# Altium PCB FMC_ADC_100M_10B_16CHA_TDC.PcbDoc (part 1 of 12) (continued)
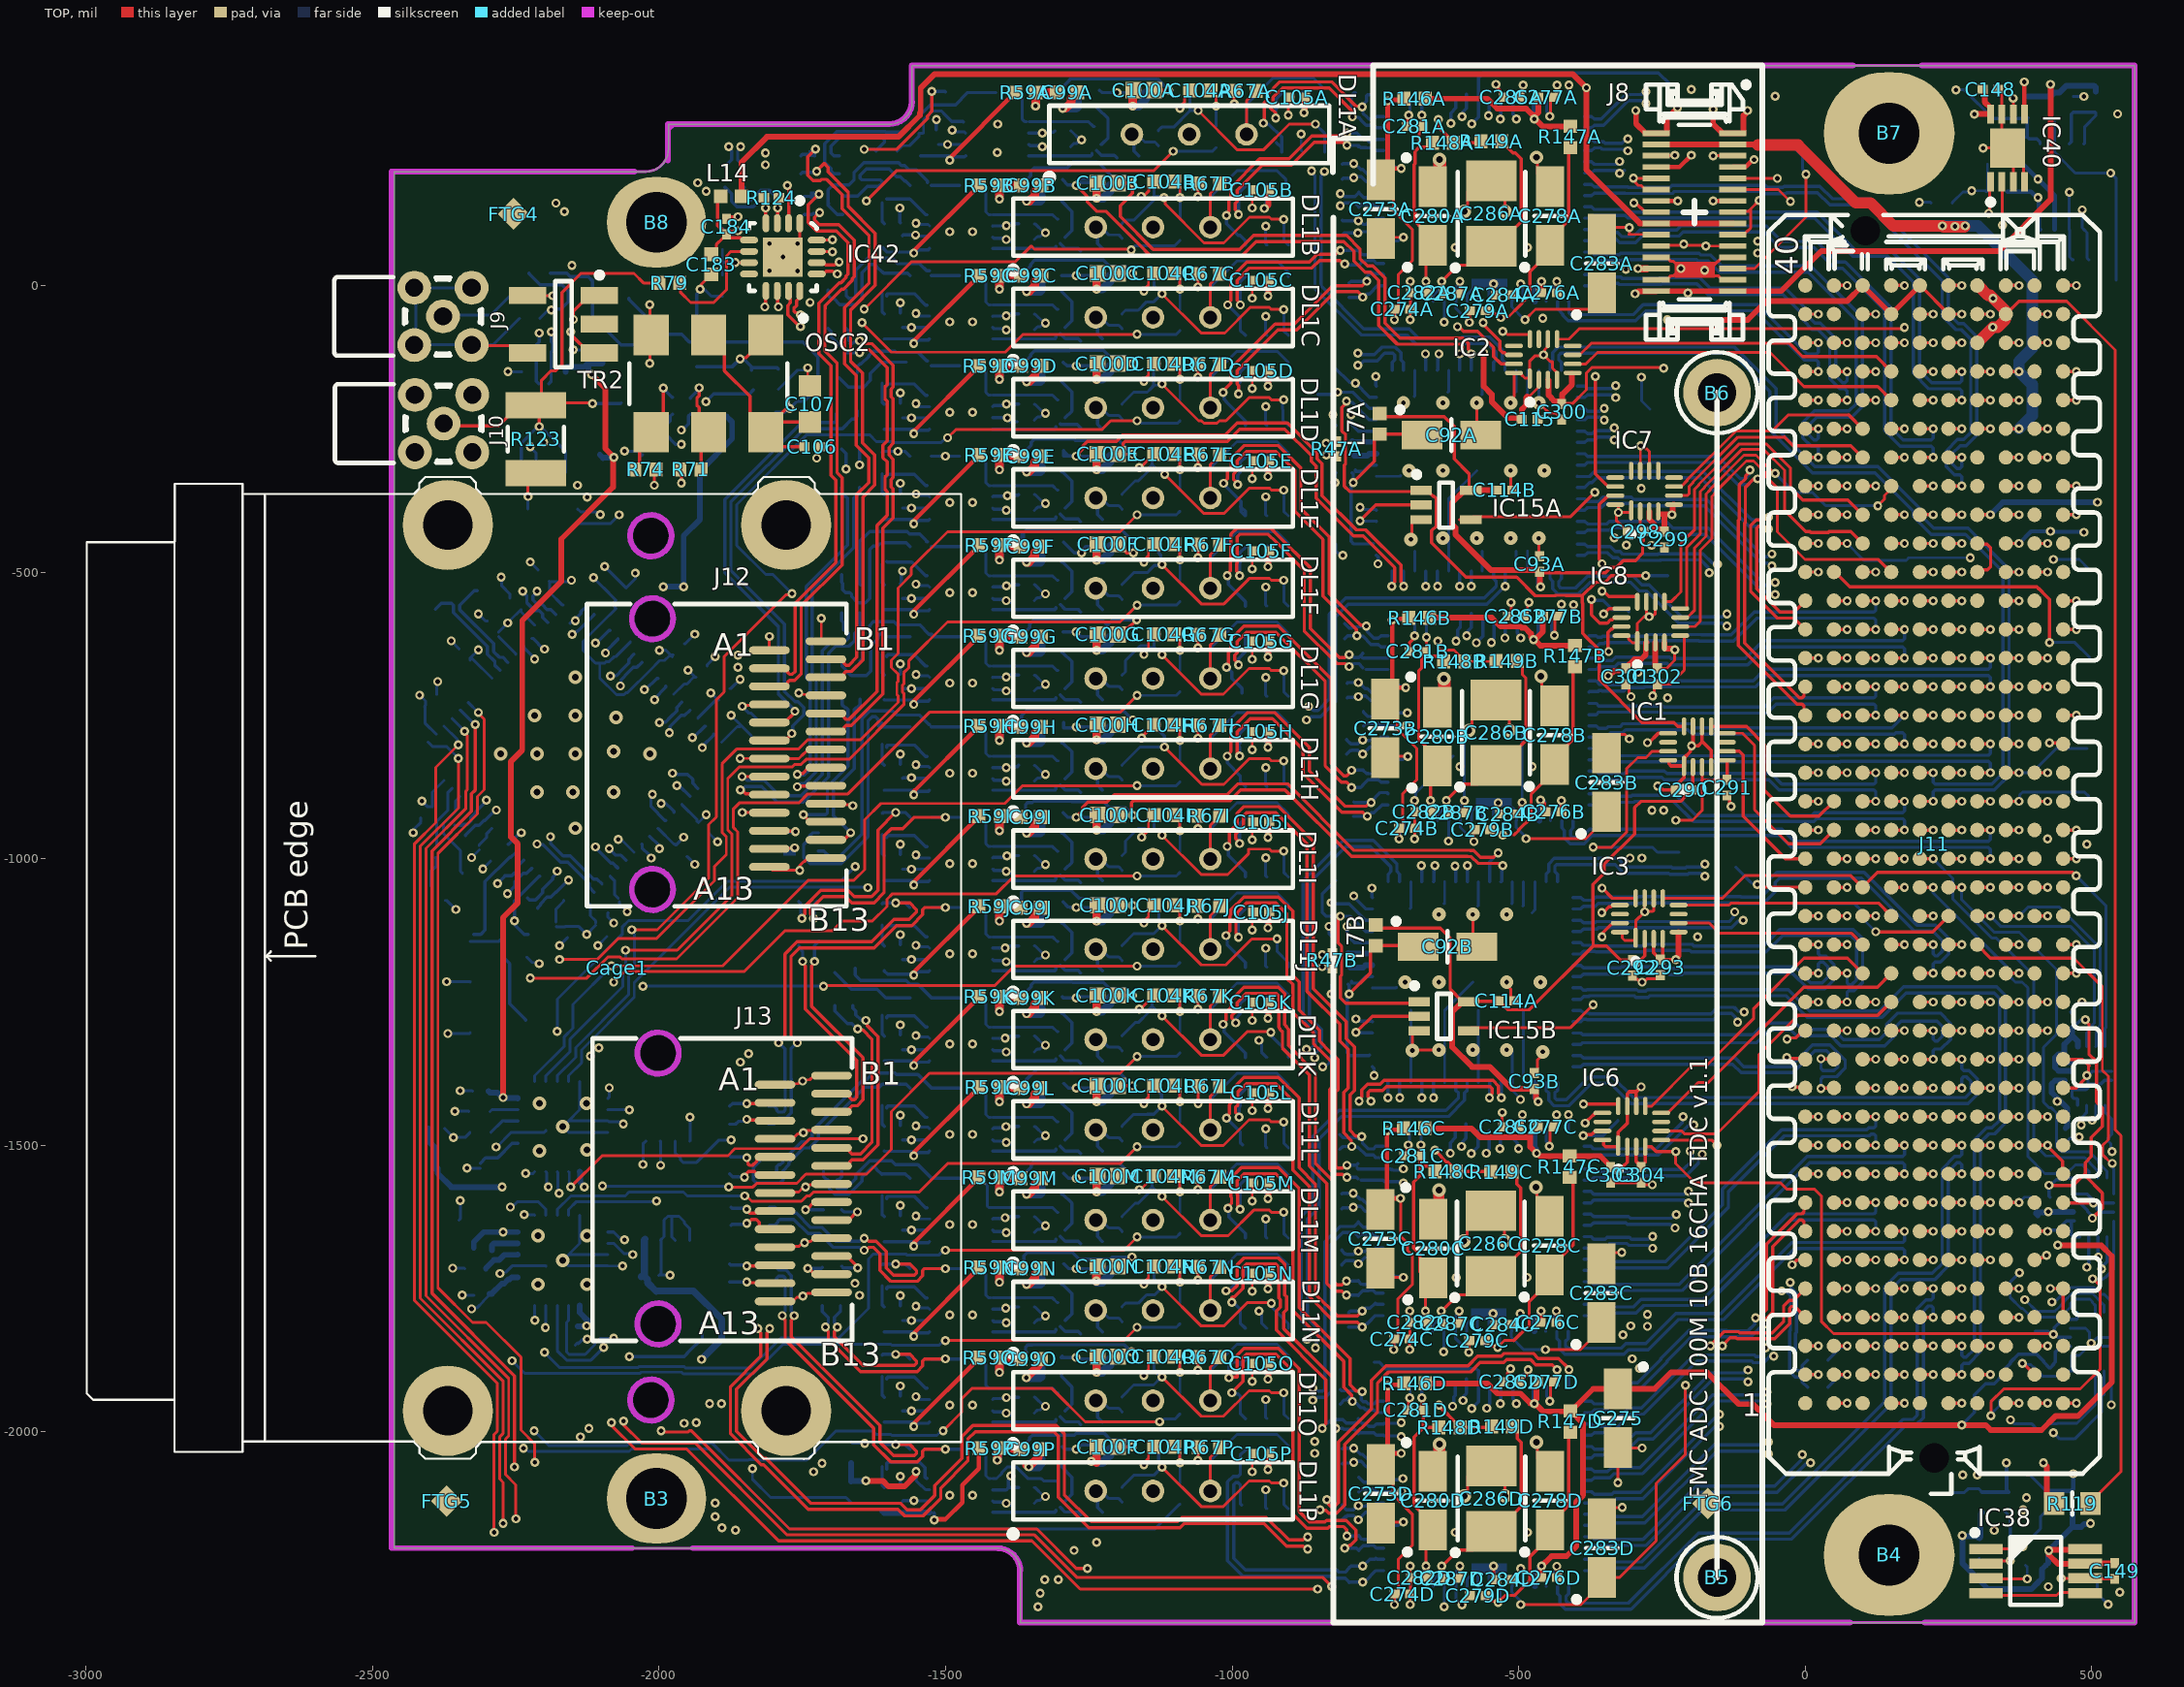
[diagram p0: TOP view]
## Design rules (kind name [scope] priority, off if disabled: settings) (continued)
Width [All] p2: maxlimit=30 minlimit=5 preferedwidth=6 midlayer1_maxwidth=10 midlayer1_prefwidth=5 minimp=50.000000 maximp=50.000000 favimp=50.000000
6 further rules are at their usual default settings.

## Classes and differential pairs
net class TDC_INT[3..0]: TDC_INT0 TDC_INT1 TDC_INT2 TDC_INT3
channel class ADC_8CH: U_ADC0 U_ADC1
net class TDC_INT_VADJ[3..0]: TDC_INT_VADJ0 TDC_INT_VADJ1 TDC_INT_VADJ2 TDC_INT_VADJ3
net class TDC_PAR_VADJ[3..0]: TDC_PAR_VADJ0 TDC_PAR_VADJ1 TDC_PAR_VADJ2 TDC_PAR_VADJ3
net class TDC_PAR[3..0]: TDC_PAR0 TDC_PAR1 TDC_PAR2 TDC_PAR3
component class Translators: B9 B10 B18 B21 B22 B23 B24 B25 B26 B27 B28 B29 B30 C115 C288 C289 C290 C291 C292 C293 C294 C295 C296 C297 C298 C299 C300 C301 C302 C303 C304 C305 C306 IC1 IC2 IC3 IC4 IC5 IC6 IC7 IC8 IC9 IC55 R158 R159 R160 R161 R162
component class FMC_ADC_100M_10B_16CHA_TDC: J10 R117 R118
channel class TDC: U_TDC0 U_TDC1 U_TDC2 U_TDC3
channel class CFD: U_CFD0 U_CFD1 U_CFD2 U_CFD3 U_CFD4 U_CFD5 U_CFD6 U_CFD7 U_CFD8 U_CFD9 U_CFD10 U_CFD11 U_CFD12 U_CFD13 U_CFD14 U_CFD15
net class CFD_OFFSET[15..0]: CFD_OFFSET0 CFD_OFFSET1 CFD_OFFSET2 CFD_OFFSET3 CFD_OFFSET4 CFD_OFFSET5 CFD_OFFSET6 CFD_OFFSET7 CFD_OFFSET8 CFD_OFFSET9 CFD_OFFSET10 CFD_OFFSET11 CFD_OFFSET12 CFD_OFFSET13 CFD_OFFSET14 CFD_OFFSET15
component class U_TDC3: C273D C274D C276D C277D C278D C279D C280D C281D C282D C283D C284D C285D C286D C287D IC50D R139D R140D R141D R142D R143D R144D R145D R146D R147D R148D R149D
component class U_TDC2: C273C C274C C276C C277C C278C C279C C280C C281C C282C C283C C284C C285C C286C C287C IC50C R139C R140C R141C R142C R143C R144C R145C R146C R147C R148C R149C
component class U_TDC1: C273B C274B C276B C277B C278B C279B C280B C281B C282B C283B C284B C285B C286B C287B IC50B R139B R140B R141B R142B R143B R144B R145B R146B R147B R148B R149B
component class U_TDC0: C273A C274A C276A C277A C278A C279A C280A C281A C282A C283A C284A C285A C286A C287A IC50A R139A R140A R141A R142A R143A R144A R145A R146A R147A R148A R149A
component class U_DACs: B12 B13 C144 C145 C146 C147 IC35 IC36 IC37 R81 R84 R85 R86
component class U_CFD15: C99P C100P C101P C102P C103P C104P C105P DL1P IC20P IC32P R48P R57P R58P R59P R60P R61P R62P R63P R64P R65P R66P R67P R68P R69P R70P
component class U_CFD14: C99O C100O C101O C102O C103O C104O C105O DL1O IC20O IC32O R48O R57O R58O R59O R60O R61O R62O R63O R64O R65O R66O R67O R68O R69O R70O
component class U_CFD13: C99N C100N C101N C102N C103N C104N C105N DL1N IC20N IC32N R48N R57N R58N R59N R60N R61N R62N R63N R64N R65N R66N R67N R68N R69N R70N
component class U_CFD12: C99M C100M C101M C102M C103M C104M C105M DL1M IC20M IC32M R48M R57M R58M R59M R60M R61M R62M R63M R64M R65M R66M R67M R68M R69M R70M
component class U_CFD11: C99L C100L C101L C102L C103L C104L C105L DL1L IC20L IC32L R48L R57L R58L R59L R60L R61L R62L R63L R64L R65L R66L R67L R68L R69L R70L
component class U_CFD10: C99K C100K C101K C102K C103K C104K C105K DL1K IC20K IC32K R48K R57K R58K R59K R60K R61K R62K R63K R64K R65K R66K R67K R68K R69K R70K
component class U_CFD9: C99J C100J C101J C102J C103J C104J C105J DL1J IC20J IC32J R48J R57J R58J R59J R60J R61J R62J R63J R64J R65J R66J R67J R68J R69J R70J
component class U_CFD8: C99I C100I C101I C102I C103I C104I C105I DL1I IC20I IC32I R48I R57I R58I R59I R60I R61I R62I R63I R64I R65I R66I R67I R68I R69I R70I
component class U_CFD7: C99H C100H C101H C102H C103H C104H C105H DL1H IC20H IC32H R48H R57H R58H R59H R60H R61H R62H R63H R64H R65H R66H R67H R68H R69H R70H
component class U_CFD6: C99G C100G C101G C102G C103G C104G C105G DL1G IC20G IC32G R48G R57G R58G R59G R60G R61G R62G R63G R64G R65G R66G R67G R68G R69G R70G
component class U_CFD5: C99F C100F C101F C102F C103F C104F C105F DL1F IC20F IC32F R48F R57F R58F R59F R60F R61F R62F R63F R64F R65F R66F R67F R68F R69F R70F
component class U_CFD4: C99E C100E C101E C102E C103E C104E C105E DL1E IC20E IC32E R48E R57E R58E R59E R60E R61E R62E R63E R64E R65E R66E R67E R68E R69E R70E
component class U_ADC0: C92A C93A C94A C95A C96A C97A C98A C114A IC14A IC15A L7A R47A
component class U_ADC1: C92B C93B C94B C95B C96B C97B C98B C114B IC14B IC15B L7B R47B
component class U_SAS_Connectors: Cage1 J12 J13 L37 L38 L39 L40 L41 L42 L43 L44 L45 L46 L47 L48 L49 L50 L51 L52
component class U_CFD3: C99D C100D C101D C102D C103D C104D C105D DL1D IC20D IC32D R48D R57D R58D R59D R60D R61D R62D R63D R64D R65D R66D R67D R68D R69D R70D
component class U_CFD2: C99C C100C C101C C102C C103C C104C C105C DL1C IC20C IC32C R48C R57C R58C R59C R60C R61C R62C R63C R64C R65C R66C R67C R68C R69C R70C
component class U_CFD1: C99B C100B C101B C102B C103B C104B C105B DL1B IC20B IC32B R48B R57B R58B R59B R60B R61B R62B R63B R64B R65B R66B R67B R68B R69B R70B
component class U_CFD0: C99A C100A C101A C102A C103A C104A C105A DL1A IC20A IC32A R48A R57A R58A R59A R60A R61A R62A R63A R64A R65A R66A R67A R68A R69A R70A
pad class Direc: B3-1 B4-1 J3-37 J3-38
pad class SMA: J6-2 J7-2
component class "U_FMC connector": B3 B4 B7 B8 J11 R119 R120 R121 TP35 TP36 TP37 TP38 TP39 TP40
component class U_Clock_circuit: C1 C106 C107 C110 C111 C112 C113 C116 C117 C118 C119 C120 C121 C122 C123 C124 C125 C126 C127 C128 C134 C135 C136 C137 C138 C139 C140 C141 C142 C143 D1 IC34 J9 L8 OSC2 R1 R71 R72 R73 R74 R75 R76 R77 R78 R80 TP23 TP24 TR2
component class U_EEPROM_Temp: B14 B15 C148 C149 C150 FTG1 FTG2 FTG3 FTG4 FTG5 FTG6 IC38 IC39 IC40 R105 R111 R112 R113 R114 R115 R116
component class U_power_supply: B5 B6 C275 J8 R138 SCREW1 SCREW2 TP43 TP44
component class IDX_CTRL: C181 C182 C183 C184 D3 IC41 IC42 L14 R2 R3 R79 R122 R123 R124 R150 R151 T8
differential pair CLK2_BIDIR: +CLK2_BIDIR_P -CLK2_BIDIR_N
differential pair IDX: +IDX_P -IDX_N
differential pair LA07: +LA07_P -LA07_N
differential pair LA05: +LA05_P -LA05_N
differential pair LA04: +LA04_P -LA04_N
differential pair LA02: +LA02_P -LA02_N
differential pair LA00_CC: +LA00_CC_P -LA00_CC_N
differential pair HA18: +HA18_P -HA18_N
differential pair HA16: +HA16_P -HA16_N
differential pair HA15: +HA15_P -HA15_N
differential pair HA14: +HA14_P -HA14_N
differential pair HA13: +HA13_P -HA13_N
differential pair HA12: +HA12_P -HA12_N
differential pair HA11: +HA11_P -HA11_N
differential pair HA10: +HA10_P -HA10_N
differential pair HA01_CC: +HA01_CC_P -HA01_CC_N
differential pair LA25: +LA25_P -LA25_N
differential pair LA23: +LA23_P -LA23_N
differential pair LA21: +LA21_P -LA21_N
differential pair LA20: +LA20_P -LA20_N
differential pair LA17_CC: +LA17_CC_P -LA17_CC_N
differential pair HB19: +HB19_P -HB19_N
differential pair HB18: +HB18_P -HB18_N
differential pair HB17_CC: +HB17_CC_P -HB17_CC_N
differential pair HB16: +HB16_P -HB16_N
differential pair HB13: +HB13_P -HB13_N
differential pair HB09: +HB09_P -HB09_N
differential pair HB08: +HB08_P -HB08_N
differential pair HB07: +HB07_P -HB07_N
differential pair HB06_CC: +HB06_CC_P -HB06_CC_N
differential pair HB05: +HB05_P -HB05_N
differential pair HB04: +HB04_P -HB04_N
differential pair HB03: +HB03_P -HB03_N
differential pair HB02: +HB02_P -HB02_N
differential pair HB01: +HB01_P -HB01_N
differential pair HA09: +HA09_P -HA09_N
differential pair HA08: +HA08_P -HA08_N
differential pair HA04: +HA04_P -HA04_N
differential pair HA03: +HA03_P -HA03_N
differential pair HA00_CC: +HA00_CC_P -HA00_CC_N
differential pair DISABLEB: +DISABLEB_P -DISABLEB_N
differential pair HB12: +HB12_P -HB12_N
differential pair CFD_OUT15.SIG: +CFD_OUT15.SIG_P -CFD_OUT15.SIG_N
differential pair CFD_OUT11.SIG: +CFD_OUT11.SIG_P -CFD_OUT11.SIG_N
differential pair CFD_OUT7.SIG: +CFD_OUT7.SIG_P -CFD_OUT7.SIG_N
differential pair CFD_OUT3.SIG: +CFD_OUT3.SIG_P -CFD_OUT3.SIG_N
differential pair INU15: +INU15_P -INU15_N
differential pair INU14: +INU14_P -INU14_N
differential pair INU13: +INU13_P -INU13_N
differential pair INU12: +INU12_P -INU12_N
differential pair INU11: +INU11_P -INU11_N
differential pair INU10: +INU10_P -INU10_N
differential pair INU9: +INU9_P -INU9_N
differential pair INU8: +INU8_P -INU8_N
differential pair INU7: +INU7_P -INU7_N
differential pair INU6: +INU6_P -INU6_N
differential pair INU5: +INU5_P -INU5_N
differential pair INU4: +INU4_P -INU4_N
differential pair INU3: +INU3_P -INU3_N
differential pair INU2: +INU2_P -INU2_N
differential pair INU1: +INU1_P -INU1_N
differential pair INU0: +INU0_P -INU0_N
differential pair IN15: +IN15_P -IN15_N
differential pair IN14: +IN14_P -IN14_N
differential pair IN13: +IN13_P -IN13_N
differential pair IN12: +IN12_P -IN12_N
differential pair IN11: +IN11_P -IN11_N
differential pair IN10: +IN10_P -IN10_N
differential pair IN9: +IN9_P -IN9_N
differential pair IN8: +IN8_P -IN8_N
differential pair IN7: +IN7_P -IN7_N
differential pair IN6: +IN6_P -IN6_N
differential pair IN5: +IN5_P -IN5_N
differential pair IN4: +IN4_P -IN4_N
differential pair IN3: +IN3_P -IN3_N
differential pair IN2: +IN2_P -IN2_N
differential pair IN1: +IN1_P -IN1_N
differential pair IN0: +IN0_P -IN0_N
differential pair FRAME3D: +FRAME3D_P -FRAME3D_N
differential pair FRAME3C: +FRAME3C_P -FRAME3C_N
differential pair FRAME3B: +FRAME3B_P -FRAME3B_N
differential pair FRAME3A: +FRAME3A_P -FRAME3A_N
differential pair FRAME2D: +FRAME2D_P -FRAME2D_N
differential pair FRAME2C: +FRAME2C_P -FRAME2C_N
differential pair FRAME2B: +FRAME2B_P -FRAME2B_N
differential pair FRAME2A: +FRAME2A_P -FRAME2A_N
differential pair FRAME1D: +FRAME1D_P -FRAME1D_N
differential pair FRAME1C: +FRAME1C_P -FRAME1C_N
differential pair FRAME1B: +FRAME1B_P -FRAME1B_N
differential pair FRAME1A: +FRAME1A_P -FRAME1A_N
differential pair FRAME0D: +FRAME0D_P -FRAME0D_N
differential pair FRAME0C: +FRAME0C_P -FRAME0C_N
differential pair FRAME0B: +FRAME0B_P -FRAME0B_N
differential pair FRAME0A: +FRAME0A_P -FRAME0A_N
differential pair DISABLED: +DISABLED_P -DISABLED_N
differential pair DISABLEC: +DISABLEC_P -DISABLEC_N
differential pair DISABLEA: +DISABLEA_P -DISABLEA_N
differential pair CFD_OUT14.SIG: +CFD_OUT14.SIG_P -CFD_OUT14.SIG_N
differential pair CFD_OUT13.SIG: +CFD_OUT13.SIG_P -CFD_OUT13.SIG_N
differential pair CFD_OUT12.SIG: +CFD_OUT12.SIG_P -CFD_OUT12.SIG_N
differential pair CFD_OUT10.SIG: +CFD_OUT10.SIG_P -CFD_OUT10.SIG_N
differential pair CFD_OUT9.SIG: +CFD_OUT9.SIG_P -CFD_OUT9.SIG_N
differential pair CFD_OUT8.SIG: +CFD_OUT8.SIG_P -CFD_OUT8.SIG_N
differential pair CFD_OUT6.SIG: +CFD_OUT6.SIG_P -CFD_OUT6.SIG_N
differential pair CFD_OUT5.SIG: +CFD_OUT5.SIG_P -CFD_OUT5.SIG_N
differential pair CFD_OUT4.SIG: +CFD_OUT4.SIG_P -CFD_OUT4.SIG_N
differential pair CFD_OUT2.SIG: +CFD_OUT2.SIG_P -CFD_OUT2.SIG_N
differential pair CFD_OUT1.SIG: +CFD_OUT1.SIG_P -CFD_OUT1.SIG_N
differential pair CFD_OUT0.SIG: +CFD_OUT0.SIG_P -CFD_OUT0.SIG_N
differential pair ADCLKB: +ADCLKB_P -ADCLKB_N
differential pair ADCLKA: +ADCLKA_P -ADCLKA_N
differential pair ADC_IN15.SIG: +ADC_IN15.SIG_P -ADC_IN15.SIG_N
differential pair ADC_IN14.SIG: +ADC_IN14.SIG_P -ADC_IN14.SIG_N
differential pair ADC_IN13.SIG: +ADC_IN13.SIG_P -ADC_IN13.SIG_N
differential pair ADC_IN12.SIG: +ADC_IN12.SIG_P -ADC_IN12.SIG_N
differential pair ADC_IN11.SIG: +ADC_IN11.SIG_P -ADC_IN11.SIG_N
differential pair ADC_IN10.SIG: +ADC_IN10.SIG_P -ADC_IN10.SIG_N
differential pair ADC_IN9.SIG: +ADC_IN9.SIG_P -ADC_IN9.SIG_N
differential pair ADC_IN8.SIG: +ADC_IN8.SIG_P -ADC_IN8.SIG_N
differential pair ADC_IN7.SIG: +ADC_IN7.SIG_P -ADC_IN7.SIG_N
differential pair ADC_IN6.SIG: +ADC_IN6.SIG_P -ADC_IN6.SIG_N
differential pair ADC_IN5.SIG: +ADC_IN5.SIG_P -ADC_IN5.SIG_N
differential pair ADC_IN4.SIG: +ADC_IN4.SIG_P -ADC_IN4.SIG_N
differential pair ADC_IN3.SIG: +ADC_IN3.SIG_P -ADC_IN3.SIG_N
differential pair ADC_IN2.SIG: +ADC_IN2.SIG_P -ADC_IN2.SIG_N
differential pair ADC_IN1.SIG: +ADC_IN1.SIG_P -ADC_IN1.SIG_N
differential pair ADC_IN0.SIG: +ADC_IN0.SIG_P -ADC_IN0.SIG_N
differential pair LCLKINA: +LCLKINA_P -LCLKINA_N
differential pair IDX3.SIG: +IDX3.SIG_P -IDX3.SIG_N
differential pair IDX2.SIG: +IDX2.SIG_P -IDX2.SIG_N
differential pair IDX1.SIG: +IDX1.SIG_P -IDX1.SIG_N
differential pair IDX0.SIG: +IDX0.SIG_P -IDX0.SIG_N
differential pair CLK1_M2C: +CLK1_M2C_P -CLK1_M2C_N
differential pair CLK0_M2C: +CLK0_M2C_P -CLK0_M2C_N
differential pair VCXO_IN: +VCXO_IN_P -VCXO_IN_N
differential pair REFCLKD: +REFCLKD_P -REFCLKD_N
differential pair REFCLKC: +REFCLKC_P -REFCLKC_N
differential pair REFCLKB: +REFCLKB_P -REFCLKB_N
differential pair REFCLKA: +REFCLKA_P -REFCLKA_N
differential pair REFB: +REFB_P -REFB_N
differential pair REFA: +REFA_P -REFA_N
differential pair LCLKIND: +LCLKIND_P -LCLKIND_N
differential pair LCLKINC: +LCLKINC_P -LCLKINC_N
differential pair LCLKINB: +LCLKINB_P -LCLKINB_N
differential pair ADC_CLKB: +ADC_CLKB_P -ADC_CLKB_N
differential pair ADC_CLKA: +ADC_CLKA_P -ADC_CLKA_N
differential pair RF_AUX: +RF_AUX_P -RF_AUX_N
differential pair CLK3_BIDIR: +CLK3_BIDIR_P -CLK3_BIDIR_N

## Components (designator, comment, footprint, x,y, rotation, side; value= is the part's Value field where it differs from the comment)
B3 "Plated Hole" MTG300_600#1 -2004.33,-2116.19 r0 top locked
B4 "Plated Hole" MTG300_600#2 146.26,-2214.79 r0 top
B5 "Plated Hole" c300h160 -153.94,-2253.99 r0 top
B6 "Plated Hole" c300h160 -153.94,-187.06 r0 top
B7 "Plated Hole" MTG300_600#2 146.26,265.52 r0 top locked
B8 "Plated Hole" MTG300_600#1 -2004.33,110.18 r0 top locked
B9 "SMD Pad" C100 -308.12,-569.24 r180 bottom
B10 "SMD Pad" C100 -326.9,-1457 r90 bottom
B12 "SMD Pad" C100 542.64,9.07 r180 bottom
B13 "SMD Pad" C100 343.67,259.11 r180 bottom
B14 "SMD Pad" C100 386,-2075 r180 bottom
B15 "SMD Pad" C100 253.52,-2108.75 r180 bottom
B18 "SMD Pad" C100 -236.37,350.93 r180 bottom
B21 "SMD Pad" C100 -752.36,-1878.42 r180 bottom
B22 "SMD Pad" C100 -220.53,-988.93 r180 bottom
B23 "SMD Pad" C100 -820.27,-144.27 r180 bottom
B24 "SMD Pad" C100 -240.51,-506.29 r90 bottom
B25 "SMD Pad" C100 -819.29,-1038.44 r180 bottom
B26 "SMD Pad" C100 -850.38,-190.17 r180 bottom
B27 "SMD Pad" C100 338.73,-1945.58 r180 bottom
B28 "SMD Pad" C100 388.37,-1994.43 r180 bottom
B29 "SMD Pad" C100 468.57,-2012.34 r180 bottom
B30 "SMD Pad" C100 504.1,-2258.79 r180 bottom
C1 "4.7uF" CAPC1608X87N -2084.22,-22.95 r180 bottom
C92A "33uF" CAPMP3216X180N -617.52,-261.04 r0 top (schematic designator C92)
C92B "33uF" CAPMP3216X180N -624.41,-1153.6 r0 top (schematic designator C92)
C93A "100nF" CAPC0603X33N -463.77,-486 r270 top (schematic designator C93)
C93B "100nF" CAPC0603X33N -473,-1388 r270 top (schematic designator C93)
C94A "100nF" CAPC0603X33N -804.53,-326.82 r0 bottom (schematic designator C94)
C94B "100nF" CAPC0603X33N -811.42,-1219.38 r0 bottom (schematic designator C94)
C95A "100nF" CAPC0603X33N -804.53,-244.15 r0 bottom (schematic designator C95)
C95B "100nF" CAPC0603X33N -811.42,-1136.71 r0 bottom (schematic designator C95)
C96A "100nF" CAPC0603X33N -805.51,-450.84 r0 bottom (schematic designator C96)
C96B "100nF" CAPC0603X33N -812.4,-1343.4 r0 bottom (schematic designator C96)
C97A "100nF" CAPC0603X33N -804.53,-299.27 r0 bottom (schematic designator C97)
C97B "100nF" CAPC0603X33N -811.42,-1191.82 r0 bottom (schematic designator C97)
C98A "100nF" CAPC0603X33N -804.53,-271.71 r0 bottom (schematic designator C98)
C98B "100nF" CAPC0603X33N -811.42,-1164.27 r0 bottom (schematic designator C98)
C99A "220pF" CAPC1005X55N -1287.8,336.56 r0 top (schematic designator C99)
C99B "220pF" CAPC1005X55N -1350.91,174.59 r0 top (schematic designator C99)
C99C "220pF" CAPC1005X55N -1350.91,17.11 r0 top (schematic designator C99)
C99D "220pF" CAPC1005X55N -1350.91,-140.37 r0 top (schematic designator C99)
C99E "220pF" CAPC1005X55N -1351.5,-297.85 r0 top (schematic designator C99)
C99F "220pF" CAPC1005X55N -1351.5,-455.33 r0 top (schematic designator C99)
C99G "220pF" CAPC1005X55N -1351.5,-612.81 r0 top (schematic designator C99)
C99H "220pF" CAPC1005X55N -1351.5,-770.29 r0 top (schematic designator C99)
C99I "220pF" CAPC1005X55N -1351.5,-927.77 r0 top (schematic designator C99)
C99J "220pF" CAPC1005X55N -1351.5,-1085.25 r0 top (schematic designator C99)
C99K "220pF" CAPC1005X55N -1351.5,-1242.73 r0 top (schematic designator C99)
C99L "220pF" CAPC1005X55N -1351.5,-1400.21 r0 top (schematic designator C99)
C99M "220pF" CAPC1005X55N -1351.5,-1557.69 r0 top (schematic designator C99)
C99N "220pF" CAPC1005X55N -1351.5,-1715.17 r0 top (schematic designator C99)
C99O "220pF" CAPC1005X55N -1351.5,-1872.65 r0 top (schematic designator C99)
C99P "220pF" CAPC1005X55N -1351.5,-2030.13 r0 top (schematic designator C99)
C100A "6.8pF" CAPC1005X70N -1153.94,340.5 r180 top (schematic designator C100)
C100B "6.8pF" CAPC1005X70N -1217.05,178.53 r180 top (schematic designator C100)
C100C "6.8pF" CAPC1005X70N -1217.05,21.05 r180 top (schematic designator C100)
C100D "6.8pF" CAPC1005X70N -1217.05,-136.43 r180 top (schematic designator C100)
C100E "6.8pF" CAPC1005X70N -1217.05,-293.91 r180 top (schematic designator C100)
C100F "6.8pF" CAPC1005X70N -1217.05,-451.39 r180 top (schematic designator C100)
C100G "6.8pF" CAPC1005X70N -1217.05,-608.87 r180 top (schematic designator C100)
C100H "6.8pF" CAPC1005X70N -1217.05,-766.35 r180 top (schematic designator C100)
C100I "6.8pF" CAPC1005X70N -1217.05,-923.83 r180 top (schematic designator C100)
C100J "6.8pF" CAPC1005X70N -1217.05,-1081.31 r180 top (schematic designator C100)
C100K "6.8pF" CAPC1005X70N -1217.05,-1238.79 r180 top (schematic designator C100)
C100L "6.8pF" CAPC1005X70N -1217.05,-1396.27 r180 top (schematic designator C100)
C100M "6.8pF" CAPC1005X70N -1217.05,-1553.75 r180 top (schematic designator C100)
C100N "6.8pF" CAPC1005X70N -1217.05,-1711.23 r180 top (schematic designator C100)
C100O "6.8pF" CAPC1005X70N -1217.05,-1868.71 r180 top (schematic designator C100)
C100P "6.8pF" CAPC1005X70N -1217.05,-2026.19 r180 top (schematic designator C100)
C101A "10nF" CAPC0603X33N -1295.67,242.07 r0 bottom (schematic designator C101)
C101B "10nF" CAPC0603X33N -1358.78,80.11 r0 bottom (schematic designator C101)
C101C "10nF" CAPC0603X33N -1358.78,-77.38 r0 bottom (schematic designator C101)
C101D "10nF" CAPC0603X33N -1358.78,-234.86 r0 bottom (schematic designator C101)
C101E "10nF" CAPC0603X33N -1358.78,-392.34 r0 bottom (schematic designator C101)
C101F "10nF" CAPC0603X33N -1358.78,-549.82 r0 bottom (schematic designator C101)
C101G "10nF" CAPC0603X33N -1358.78,-707.3 r0 bottom (schematic designator C101)
C101H "10nF" CAPC0603X33N -1358.78,-864.78 r0 bottom (schematic designator C101)
C101I "10nF" CAPC0603X33N -1358.78,-1022.26 r0 bottom (schematic designator C101)
C101J "10nF" CAPC0603X33N -1358.78,-1179.74 r0 bottom (schematic designator C101)
C101K "10nF" CAPC0603X33N -1358.78,-1337.22 r0 bottom (schematic designator C101)
C101L "10nF" CAPC0603X33N -1358.78,-1494.7 r0 bottom (schematic designator C101)
C101M "10nF" CAPC0603X33N -1358.78,-1652.18 r0 bottom (schematic designator C101)
C101N "10nF" CAPC0603X33N -1358.78,-1809.66 r0 bottom (schematic designator C101)
C101O "10nF" CAPC0603X33N -1358.78,-1967.14 r0 bottom (schematic designator C101)
C101P "10nF" CAPC0603X33N -1358.78,-2124.62 r0 bottom (schematic designator C101)
C102A "10nF" CAPC0603X33N -1516.14,257.82 r90 bottom (schematic designator C102)
C102B "10nF" CAPC0603X33N -1579.26,95.85 r90 bottom (schematic designator C102)
C102C "10nF" CAPC0603X33N -1579.26,-61.63 r90 bottom (schematic designator C102)
C102D "10nF" CAPC0603X33N -1579.26,-219.11 r90 bottom (schematic designator C102)
C102E "10nF" CAPC0603X33N -1579.26,-376.59 r90 bottom (schematic designator C102)
C102F "10nF" CAPC0603X33N -1579.26,-534.07 r90 bottom (schematic designator C102)
C102G "10nF" CAPC0603X33N -1579.26,-691.55 r90 bottom (schematic designator C102)
C102H "10nF" CAPC0603X33N -1579.26,-849.03 r90 bottom (schematic designator C102)
C102I "10nF" CAPC0603X33N -1579.26,-1006.51 r90 bottom (schematic designator C102)
C102J "10nF" CAPC0603X33N -1579.26,-1163.99 r90 bottom (schematic designator C102)
C102K "10nF" CAPC0603X33N -1579.26,-1321.47 r90 bottom (schematic designator C102)
C102L "10nF" CAPC0603X33N -1579.26,-1478.95 r90 bottom (schematic designator C102)
C102M "10nF" CAPC0603X33N -1579.26,-1636.43 r90 bottom (schematic designator C102)
C102N "10nF" CAPC0603X33N -1579.26,-1793.91 r90 bottom (schematic designator C102)
C102O "10nF" CAPC0603X33N -1579.26,-1951.39 r90 bottom (schematic designator C102)
C102P "10nF" CAPC0603X33N -1579.26,-2108.87 r90 bottom (schematic designator C102)
C103A "100nF" CAPC0603X33N -1295.67,269.63 r0 bottom (schematic designator C103)
C103B "100nF" CAPC0603X33N -1358.78,107.66 r0 bottom (schematic designator C103)
C103C "100nF" CAPC0603X33N -1358.78,-49.82 r0 bottom (schematic designator C103)
C103D "100nF" CAPC0603X33N -1358.78,-207.3 r0 bottom (schematic designator C103)
C103E "100nF" CAPC0603X33N -1358.78,-364.78 r0 bottom (schematic designator C103)
C103F "100nF" CAPC0603X33N -1358.78,-522.26 r0 bottom (schematic designator C103)
C103G "100nF" CAPC0603X33N -1358.78,-679.74 r0 bottom (schematic designator C103)
C103H "100nF" CAPC0603X33N -1358.78,-837.22 r0 bottom (schematic designator C103)
C103I "100nF" CAPC0603X33N -1358.78,-994.7 r0 bottom (schematic designator C103)
C103J "100nF" CAPC0603X33N -1358.78,-1152.18 r0 bottom (schematic designator C103)
C103K "100nF" CAPC0603X33N -1358.78,-1309.66 r0 bottom (schematic designator C103)
C103L "100nF" CAPC0603X33N -1358.78,-1467.14 r0 bottom (schematic designator C103)
C103M "100nF" CAPC0603X33N -1358.78,-1624.62 r0 bottom (schematic designator C103)
C103N "100nF" CAPC0603X33N -1358.78,-1782.1 r0 bottom (schematic designator C103)
C103O "100nF" CAPC0603X33N -1358.78,-1939.58 r0 bottom (schematic designator C103)
C103P "100nF" CAPC0603X33N -1358.78,-2097.06 r0 bottom (schematic designator C103)
C104A "10nF" CAPC1005X55N -1055.51,340.5 r0 top (schematic designator C104)
C104B "10nF" CAPC1005X55N -1118.51,180.94 r0 top (schematic designator C104)
C104C "10nF" CAPC1005X55N -1118.63,21.05 r0 top (schematic designator C104)
C104D "10nF" CAPC1005X55N -1118.63,-136.43 r0 top (schematic designator C104)
C104E "10nF" CAPC1005X55N -1118.63,-293.91 r0 top (schematic designator C104)
C104F "10nF" CAPC1005X55N -1118.63,-451.39 r0 top (schematic designator C104)
C104G "10nF" CAPC1005X55N -1118.63,-608.87 r0 top (schematic designator C104)
C104H "10nF" CAPC1005X55N -1118.63,-766.35 r0 top (schematic designator C104)
C104I "10nF" CAPC1005X55N -1118.63,-923.83 r0 top (schematic designator C104)
C104J "10nF" CAPC1005X55N -1118.63,-1081.31 r0 top (schematic designator C104)
C104K "10nF" CAPC1005X55N -1118.63,-1238.79 r0 top (schematic designator C104)
C104L "10nF" CAPC1005X55N -1118.63,-1396.27 r0 top (schematic designator C104)
C104M "10nF" CAPC1005X55N -1118.63,-1553.75 r0 top (schematic designator C104)
C104N "10nF" CAPC1005X55N -1118.63,-1711.23 r0 top (schematic designator C104)
C104O "10nF" CAPC1005X55N -1118.63,-1868.71 r0 top (schematic designator C104)
C104P "10nF" CAPC1005X55N -1118.63,-2026.19 r0 top (schematic designator C104)
C105A "100nF" CAPC0603X33N -886.22,328.69 r180 top (schematic designator C105)
C105B "100nF" CAPC0603X33N -949.33,166.72 r180 top (schematic designator C105)
C105C "100nF" CAPC0603X33N -949.33,9.24 r180 top (schematic designator C105)
C105D "100nF" CAPC0603X33N -949.33,-148.24 r180 top (schematic designator C105)
C105E "100nF" CAPC0603X33N -949.33,-305.72 r180 top (schematic designator C105)
C105F "100nF" CAPC0603X33N -949.33,-463.2 r180 top (schematic designator C105)
C105G "100nF" CAPC0603X33N -949.33,-620.68 r180 top (schematic designator C105)
C105H "100nF" CAPC0603X33N -949.33,-778.16 r180 top (schematic designator C105)
C105I "100nF" CAPC0603X33N -949.33,-935.64 r180 top (schematic designator C105)
C105J "100nF" CAPC0603X33N -949.33,-1093.12 r180 top (schematic designator C105)
C105K "100nF" CAPC0603X33N -949.33,-1250.6 r180 top (schematic designator C105)
C105L "100nF" CAPC0603X33N -949.33,-1408.08 r180 top (schematic designator C105)
C105M "100nF" CAPC0603X33N -949.33,-1565.56 r180 top (schematic designator C105)
C105N "100nF" CAPC0603X33N -949.33,-1723.04 r180 top (schematic designator C105)
C105O "100nF" CAPC0603X33N -949.33,-1880.52 r180 top (schematic designator C105)
C105P "100nF" CAPC0603X33N -949.33,-2038.01 r180 top (schematic designator C105)
C106 "100nF" CAPC0603X33N -1732.68,-281.55 r180 top
C107 "4.7uF" CAPC1608X87N -1736.62,-206.75 r270 top
C110 "100nF" CAPC0603X33N -1976.77,-210.68 r90 bottom
C111 "470nF" CAPC1005X55N -1791.73,-163.44 r90 bottom
C112 "100nF" CAPC0603X33N -1945.28,-210.68 r270 bottom
C113 "100nF" CAPC0603X33N -2245.59,-18.32 r180 bottom
C114A "100nF" CAPC0603X33N -521.26,-1247.82 r180 top (schematic designator C114)
C114B "100nF" CAPC0603X33N -525,-356.9 r180 top (schematic designator C114)
C115 "100nF" CAPC0603X33N -480.72,-233.45 r0 top
C116 "5.6nF" CAPC2012X88N -2329.26,-1179.74 r90 bottom
C117 "820nF" CAPC3216X130N -2274.14,-1303.75 r0 bottom
C118 "1.2nF" CAPC1608X80N -2367.43,-1009.67 r135 bottom
C119 "100nF" CAPC0603X33N -2339.2,-644.21 r315 bottom
C120 "100nF" CAPC0603X33N -1829.23,-775.74 r225 bottom
C121 "100nF" CAPC0603X33N -1921.66,-946.9 r135 bottom
C122 "100nF" CAPC0603X33N -2398.15,-723.04 r225 bottom
C123 "100nF" CAPC0603X33N -2250.52,-555.72 r315 bottom
C124 "100nF" CAPC0603X33N -2303.55,-994.15 r135 bottom
C125 "100nF" CAPC0603X33N -2067.32,-537.45 r225 bottom
C126 "100nF" CAPC0603X33N -2405.91,-919.34 r45 bottom
C127 "100nF" CAPC0603X33N -2289.89,-595.09 r315 bottom
C128 "100nF" CAPC0603X33N -1965.18,-634.56 r225 bottom
C134 "100nF" CAPC0603X33N -2201.3,-506.51 r315 bottom
C135 "100nF" CAPC0603X33N -1925.81,-673.93 r225 bottom
C136 "470nF" CAPC1005X55N -2385.63,-1060.38 r135 bottom
C137 "100nF" CAPC0603X33N -2169.69,-1128.01 r135 bottom
C138 "100nF" CAPC0603X33N -1961.03,-986.27 r135 bottom
C139 "100nF" CAPC0603X33N -2079.14,-1084.7 r45 bottom
C140 "100nF" CAPC0603X33N -1886.24,-713.1 r225 bottom
C141 "100nF" CAPC0603X33N -1848.92,-756.06 r225 bottom
C142 "100nF" CAPC0603X33N -2100.89,-1125.94 r135 bottom
C143 "100nF" CAPC0603X33N -2087.01,-517.77 r225 bottom
C144 "100nF" CAPC0603X33N -2388.31,-1471.08 r0 bottom
C145 "100nF" CAPC0603X33N -2311.54,-1405.33 r180 bottom
C146 "100nF" CAPC0603X33N -2146.06,-1834.7 r270 bottom
C147 "100nF" CAPC0603X33N -2309.45,-1761.86 r180 bottom
C148 "100nF" CAPC0603X33N 323,342.32 r0 top
C149 "100nF" CAPC0603X33N 539.84,-2242.73 r270 top
C150 "100nF" CAPC0603X33N -2014.29,-1726.98 r0 bottom
C181 "100nF" CAPC0603X33N -2126.48,-124.44 r90 bottom
C182 "10nF" CAPC0603X33N -2096.95,-120.5 r90 bottom
C183 "1uF" CAPC1005X55N -1908.86,36.99 r90 top
C184 "100nF" CAPC0603X33N -1882.39,102.68 r270 top
C273A "33uF" CAPMP3216X180N -740.55,133.02 r270 top (schematic designator C273)
C273B "33uF" CAPMP3216X180N -732.68,-772.49 r270 top (schematic designator C273)
C273C "33uF" CAPMP3216X180N -741.47,-1663.44 r270 top (schematic designator C273)
C273D "33uF" CAPMP3216X180N -740.55,-2108.32 r270 top (schematic designator C273)
C274A "100nF" CAPC0603X33N -702.89,-41.46 r0 top (schematic designator C274)
C274B "100nF" CAPC0603X33N -695.01,-946.97 r0 top (schematic designator C274)
C274C "100nF" CAPC0603X33N -703.8,-1837.92 r0 top (schematic designator C274)
C274D "100nF" CAPC0603X33N -702.89,-2282.8 r0 top (schematic designator C274)
C275 "100uF" CAPMP3216X180N -326.9,-1976.18 r270 top
C276A "100nF" CAPC0603X33N -447.24,-12.65 r0 top (schematic designator C276)
C276B "100nF" CAPC0603X33N -439.37,-918.16 r0 top (schematic designator C276)
C276C "100nF" CAPC0603X33N -448.16,-1809.11 r0 top (schematic designator C276)
C276D "100nF" CAPC0603X33N -447.25,-2253.99 r0 top (schematic designator C276)
C277A "100nF" CAPC0603X33N -451.89,328.54 r0 top (schematic designator C277)
C277B "100nF" CAPC0603X33N -444.01,-576.97 r0 top (schematic designator C277)
C277C "100nF" CAPC0603X33N -452.8,-1467.92 r0 top (schematic designator C277)
C277D "100nF" CAPC0603X33N -451.89,-1912.8 r0 top (schematic designator C277)
C278A "33uF" CAPMP3216X180N -445.27,121.21 r90 top (schematic designator C278)
C278B "33uF" CAPMP3216X180N -437.4,-784.3 r90 top (schematic designator C278)
C278C "33uF" CAPMP3216X180N -446.19,-1675.25 r90 top (schematic designator C278)
C278D "33uF" CAPMP3216X180N -445.28,-2120.13 r90 top (schematic designator C278)
C279A "100nF" CAPC0603X33N -571.26,-44.15 r180 top (schematic designator C279)
C279B "100nF" CAPC0603X33N -563.38,-949.66 r180 top (schematic designator C279)
C279C "100nF" CAPC0603X33N -572.17,-1840.6 r180 top (schematic designator C279)
C279D "100nF" CAPC0603X33N -571.26,-2285.49 r180 top (schematic designator C279)
C280A "100uF" CAPMP3216X180N -650,121.21 r90 top (schematic designator C280)
C280B "100uF" CAPMP3216X180N -642,-787 r90 top (schematic designator C280)
C280C "100uF" CAPMP3216X180N -649,-1680 r90 top (schematic designator C280)
C280D "100uF" CAPMP3216X180N -650,-2120.13 r90 top (schematic designator C280)
C281A "100nF" CAPC0603X33N -681.49,277.51 r180 top (schematic designator C281)
C281B "100nF" CAPC0603X33N -676.57,-638.55 r180 top (schematic designator C281)
C281C "100nF" CAPC0603X33N -685.43,-1518.32 r180 top (schematic designator C281)
C281D "100nF" CAPC0603X33N -680.06,-1961.52 r180 top (schematic designator C281)
C282A "100nF" CAPC0603X33N -673.62,-12.65 r180 top (schematic designator C282)
C282B "100nF" CAPC0603X33N -665.75,-918.16 r180 top (schematic designator C282)
C282C "100nF" CAPC0603X33N -674.54,-1809.11 r180 top (schematic designator C282)
C282D "100nF" CAPC0603X33N -673.62,-2253.99 r180 top (schematic designator C282)
C283A "100uF" CAPMP3216X180N -354.72,38.53 r90 top (schematic designator C283)
C283B "100uF" CAPMP3216X180N -346.85,-866.98 r90 top (schematic designator C283)
C283C "100uF" CAPMP3216X180N -355.64,-1757.93 r90 top (schematic designator C283)
C283D "100uF" CAPMP3216X180N -354.73,-2202.81 r90 top (schematic designator C283)
C284A "100nF" CAPC0603X33N -525.98,-16.59 r0 top (schematic designator C284)
C284B "100nF" CAPC0603X33N -518.11,-922.1 r0 top (schematic designator C284)
C284C "100nF" CAPC0603X33N -526.9,-1813.05 r0 top (schematic designator C284)
C284D "100nF" CAPC0603X33N -525.99,-2257.93 r0 top (schematic designator C284)
C285A "100nF" CAPC0603X33N -512.67,328.54 r180 top (schematic designator C285)
C285B "100nF" CAPC0603X33N -504.79,-576.97 r180 top (schematic designator C285)
C285C "100nF" CAPC0603X33N -513.58,-1467.92 r180 top (schematic designator C285)
C285D "100nF" CAPC0603X33N -512.67,-1912.8 r180 top (schematic designator C285)
C286A "220uF" CAPMP3528X210N -547.64,125.14 r90 top (schematic designator C286)
C286B "220uF" CAPMP3528X210N -539.76,-780.37 r90 top (schematic designator C286)
C286C "220uF" CAPMP3528X210N -548.55,-1671.31 r90 top (schematic designator C286)
C286D "220uF" CAPMP3528X210N -547.64,-2116.19 r90 top (schematic designator C286)
C287A "100nF" CAPC0603X33N -616.89,-14.46 r0 top (schematic designator C287)
C287B "100nF" CAPC0603X33N -609.01,-919.97 r0 top (schematic designator C287)
C287C "100nF" CAPC0603X33N -617.8,-1810.92 r0 top (schematic designator C287)
C287D "100nF" CAPC0603X33N -616.89,-2255.8 r0 top (schematic designator C287)
C288 "100nF" CAPC0603X33N 403,-1632 r270 bottom
C289 "100nF" CAPC0603X33N 463,-1282 r90 bottom
C290 "100nF" CAPC0603X33N -212,-880.15 r180 top
C291 "100nF" CAPC0603X33N -136.62,-876.04 r270 top
C292 "100nF" CAPC0603X33N -301.61,-1190.56 r270 top
C293 "100nF" CAPC0603X33N -252.75,-1189.64 r270 top
C294 "100nF" CAPC0603X33N 481.34,44.36 r180 bottom
C295 "100nF" CAPC0603X33N 467.56,316.01 r90 bottom
C296 "100nF" CAPC0603X33N 457,-1480 r270 bottom
C297 "100nF" CAPC0603X33N 412.95,-1590.47 r180 bottom
C298 "100nF" CAPC0603X33N -295.81,-429 r180 top
C299 "100nF" CAPC0603X33N -245.77,-443.24 r270 top
C300 "100nF" CAPC0603X33N -425.04,-220.36 r270 top
C301 "100nF" CAPC0603X33N -313,-681.94 r270 top
C302 "100nF" CAPC0603X33N -258,-681.94 r270 top
C303 "100nF" CAPC0603X33N -339.52,-1551.53 r270 top
C304 "100nF" CAPC0603X33N -286.39,-1551.53 r270 top
C305 "100nF" CAPC0603X33N 412.95,-1887.91 r180 bottom
C306 "100nF" CAPC0603X33N 403.81,-1834.23 r270 bottom
Cage1 "Mini-SAS" TYCO_1888321-2 -2014.3,-1944.5 r0 top locked
D1 "BAR66" SOT95P240X110-3N -1979.62,-104 r180 bottom
D3 "BAR66" SOT95P240X110-3N -2066,-250 r90 bottom
DL1A "10ns" DS1L -1074.93,263.64 r0 top (schematic designator DL1)
DL1B "10ns" DS1L -1138.04,101.67 r0 top (schematic designator DL1)
DL1C "10ns" DS1L -1138.04,-55.81 r0 top (schematic designator DL1)
DL1D "10ns" DS1L -1138.04,-213.29 r0 top (schematic designator DL1)
DL1E "10ns" DS1L -1138.04,-370.77 r0 top (schematic designator DL1)
DL1F "10ns" DS1L -1138.04,-528.25 r0 top (schematic designator DL1)
DL1G "10ns" DS1L -1138.04,-685.73 r0 top (schematic designator DL1)
DL1H "10ns" DS1L -1138.04,-843.21 r0 top (schematic designator DL1)
DL1I "10ns" DS1L -1138.04,-1000.69 r0 top (schematic designator DL1)
DL1J "10ns" DS1L -1138.04,-1158.17 r0 top (schematic designator DL1)
DL1K "10ns" DS1L -1138.04,-1315.65 r0 top (schematic designator DL1)
DL1L "10ns" DS1L -1138.04,-1473.13 r0 top (schematic designator DL1)
DL1M "10ns" DS1L -1138.04,-1630.61 r0 top (schematic designator DL1)
DL1N "10ns" DS1L -1138.04,-1788.09 r0 top (schematic designator DL1)
DL1O "10ns" DS1L -1138.04,-1945.57 r0 top (schematic designator DL1)
DL1P "10ns" DS1L -1138.04,-2103.05 r0 top (schematic designator DL1)
FTG1 "Use only in PCB" FIDUCIAL_TOP_S100-200 514.8,-273.83 r90 bottom
FTG2 "Use only in PCB" FIDUCIAL_TOP_S100-200 -1139.59,-2253.99 r90 bottom
FTG3 "Use only in PCB" FIDUCIAL_TOP_S100-200 -2358.78,113.57 r90 bottom
FTG4 "Use only in PCB" FIDUCIAL_TOP_S100-200 -2254,125 r90 top
FTG5 "Use only in PCB" FIDUCIAL_TOP_S100-200 -2370.47,-2120.68 r90 top
FTG6 "Use only in PCB" FIDUCIAL_TOP_S100-200 -170.03,-2125 r90 top
IC1 "SN74AXC4T245RSV" QFN40P180X260X55-16N -188,-804.74 r90 top
IC2 "SN74AXC4T245RSV" QFN40P180X260X55-16N -457,-129 r90 top
IC3 "SN74AXC4T245RSV" QFN40P180X260X55-16N -272.3,-1104.57 r90 top
IC4 "SN74AXC4T245RSV" QFN40P180X260X55-16N 502.67,-1608.56 r0 bottom
IC5 "SN74AXC4T245RSV" QFN40P180X260X55-16N 499,-1379 r0 bottom
IC6 "SN74AXC4T245RSV" QFN40P180X260X55-16N -302.78,-1467.14 r90 top
IC7 "SN74AXC4T245RSV" QFN40P180X260X55-16N -280.18,-358.74 r90 top
IC8 "SN74AXC4T245RSV" QFN40P180X260X55-16N -269.4,-587.2 r90 top
IC9 "SN74AXC4T245RSV" QFN40P180X260X55-16N 497.94,-1842.82 r0 bottom
IC14A "ADS5296ARGC" QFN50P900X900X100-65N-S735 -573.23,-323.04 r270 bottom (schematic designator IC14)
IC14B "ADS5296ARGC" QFN50P900X900X100-65N-S735 -580.12,-1215.6 r270 bottom (schematic designator IC14)
IC15A "SN74LV1T125DCKR" SOT65P210X110-5N -627,-383 r0 top (schematic designator IC15)
IC15B "SN74LV1T125DCKR" SOT65P210X110-5N -630.67,-1275 r0 top (schematic designator IC15)
IC20A "LMH6553SD" SDA08C -1409.84,255.85 r180 bottom (schematic designator IC20)
IC20B "LMH6553SD" SDA08C -1472.96,93.88 r180 bottom (schematic designator IC20)
IC20C "LMH6553SD" SDA08C -1472.96,-63.6 r180 bottom (schematic designator IC20)
IC20D "LMH6553SD" SDA08C -1472.96,-221.08 r180 bottom (schematic designator IC20)
IC20E "LMH6553SD" SDA08C -1472.96,-378.56 r180 bottom (schematic designator IC20)
IC20F "LMH6553SD" SDA08C -1472.96,-536.04 r180 bottom (schematic designator IC20)
IC20G "LMH6553SD" SDA08C -1472.96,-693.52 r180 bottom (schematic designator IC20)
IC20H "LMH6553SD" SDA08C -1472.96,-851 r180 bottom (schematic designator IC20)
IC20I "LMH6553SD" SDA08C -1472.96,-1008.48 r180 bottom (schematic designator IC20)
IC20J "LMH6553SD" SDA08C -1472.96,-1165.96 r180 bottom (schematic designator IC20)
IC20K "LMH6553SD" SDA08C -1472.96,-1323.44 r180 bottom (schematic designator IC20)
IC20L "LMH6553SD" SDA08C -1472.96,-1480.92 r180 bottom (schematic designator IC20)
IC20M "LMH6553SD" SDA08C -1472.96,-1638.4 r180 bottom (schematic designator IC20)
IC20N "LMH6553SD" SDA08C -1472.96,-1795.88 r180 bottom (schematic designator IC20)
IC20O "LMH6553SD" SDA08C -1472.96,-1953.36 r180 bottom (schematic designator IC20)
IC20P "LMH6553SD" SDA08C -1472.96,-2110.84 r180 bottom (schematic designator IC20)
IC32A "LMH7220MK/NOPB" SOT95P285X100-6N -876.38,283.67 r90 bottom (schematic designator IC32)